# Altium PCB 2019.07.15.master.PcbDoc (part 5 of 7) (continued)
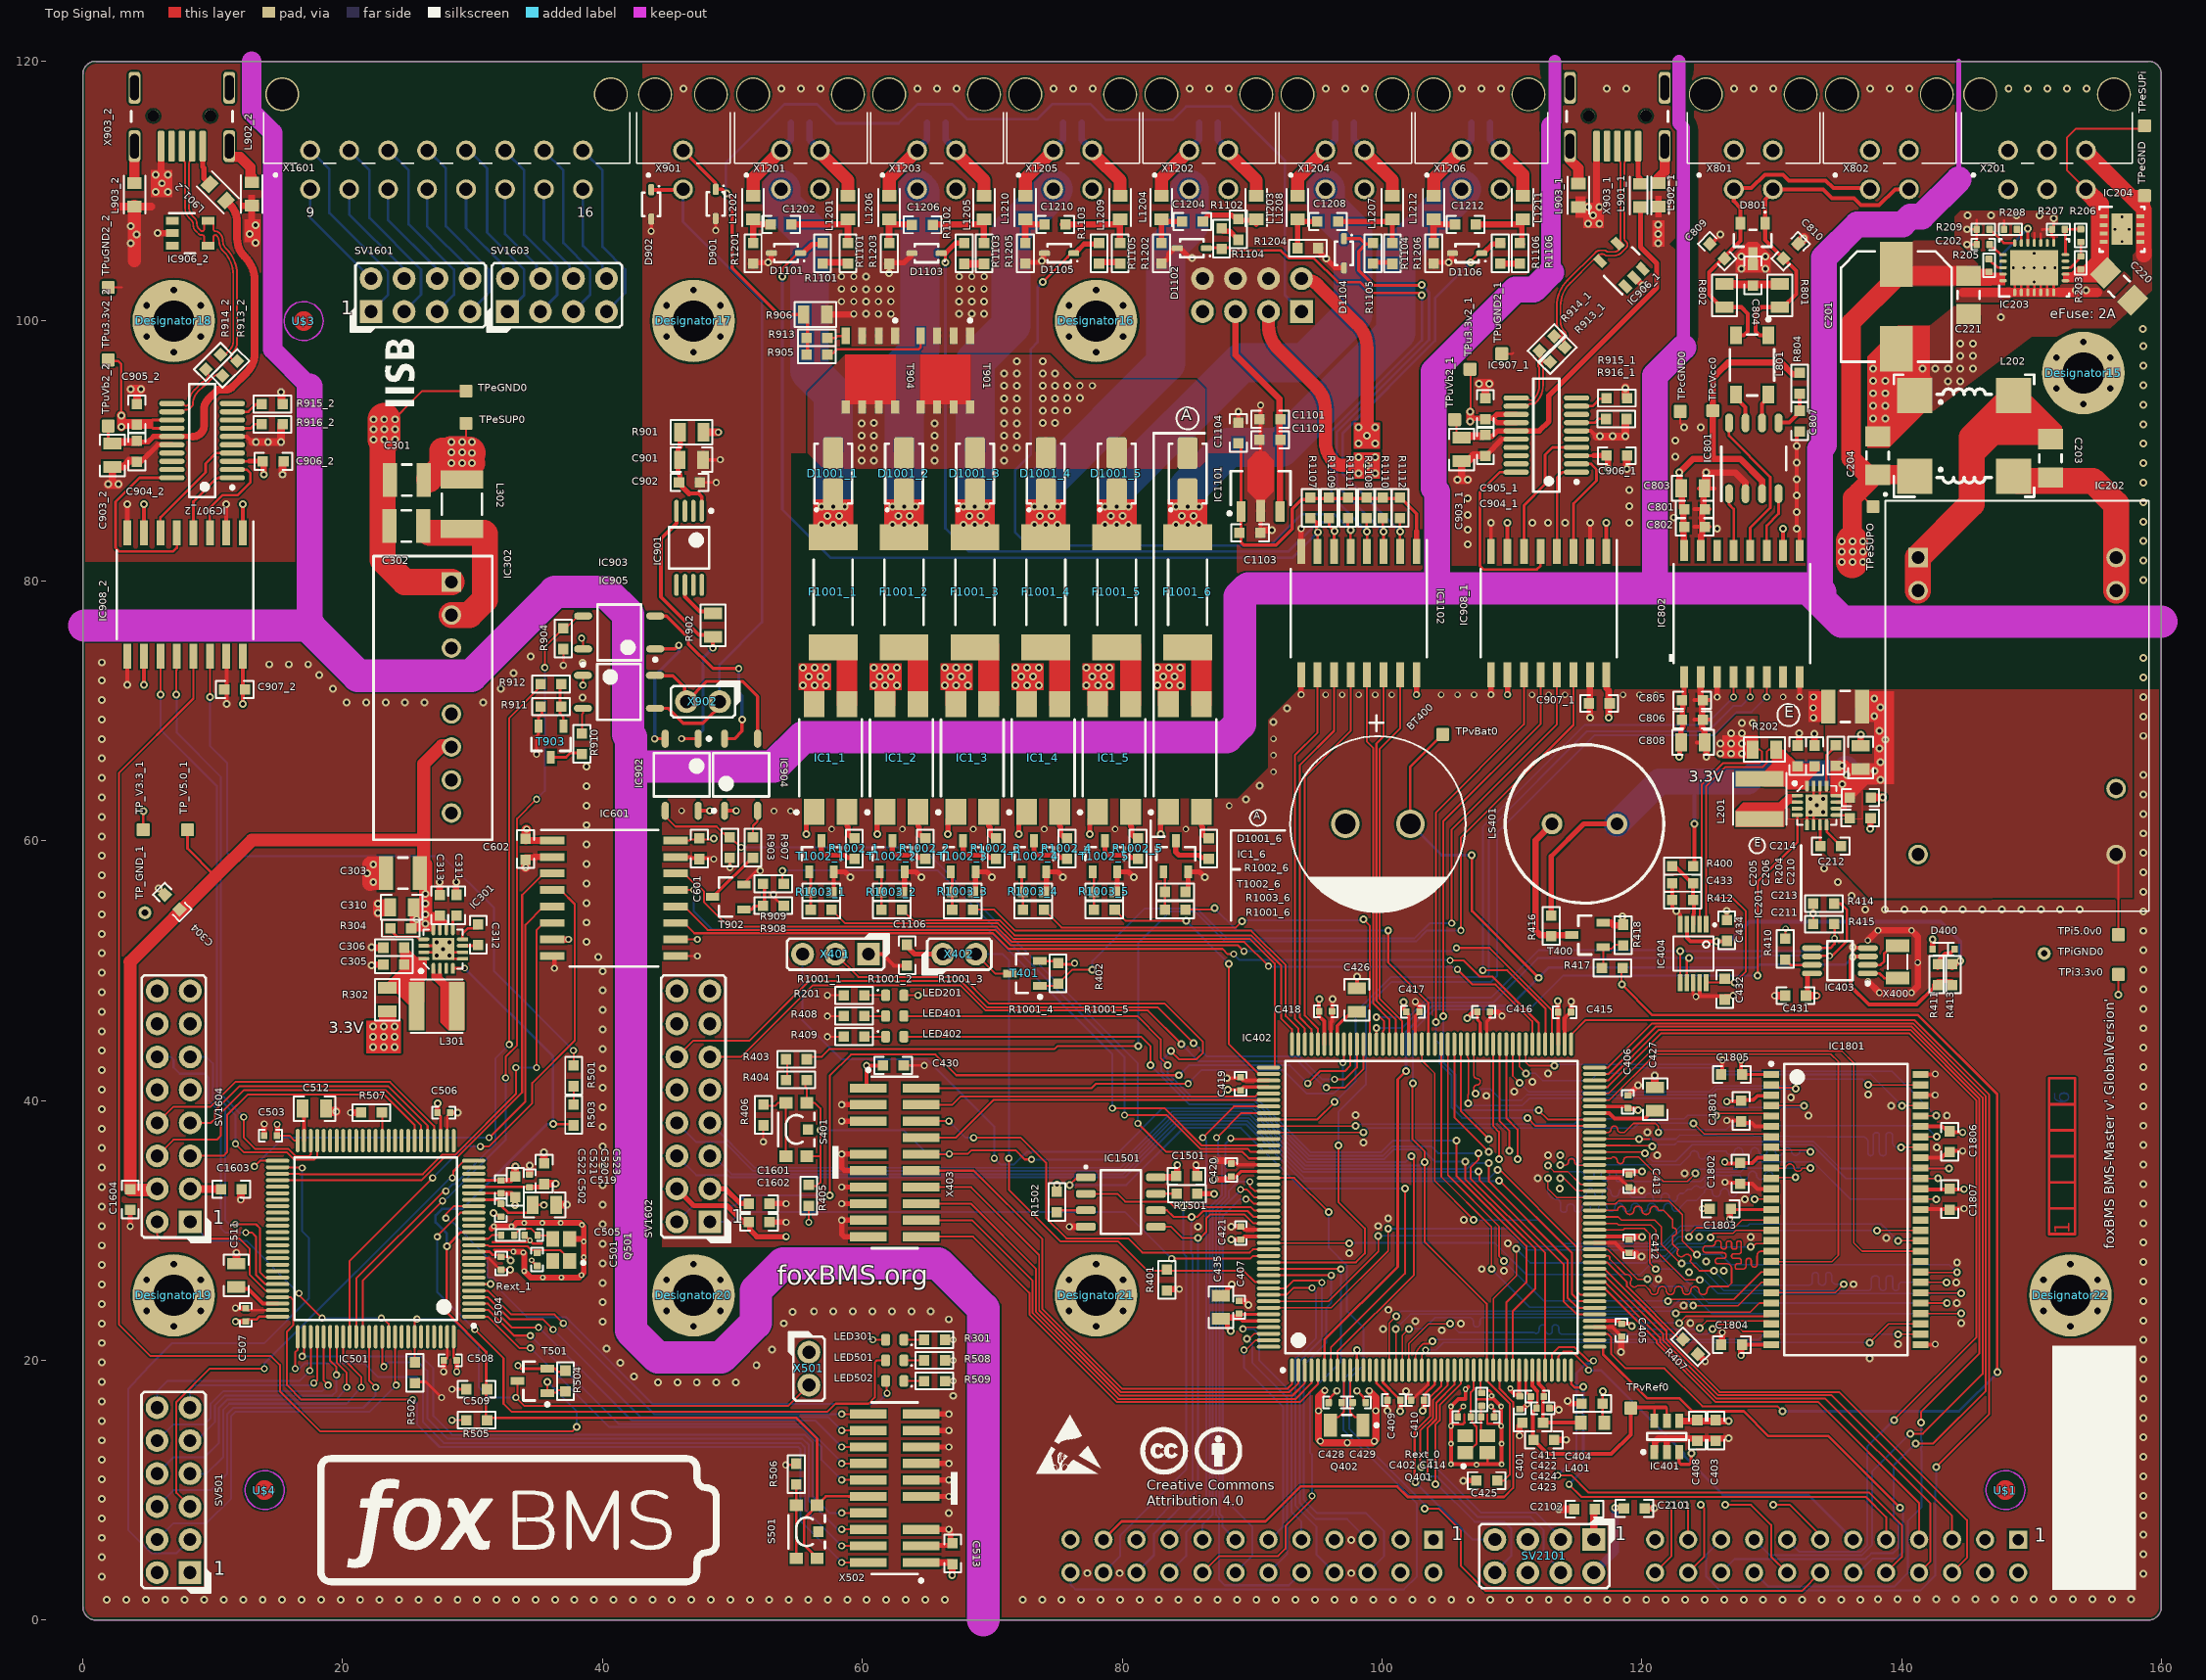
[diagram p0: Top Signal view]
## Nets (pads, with @x,y where several pads share a name; then routed paths per layer and width w, separated by ;. In a path a pad name is that pad's centre, name@x,y a point inside that pad or via, vN(x,y) a via of type N, cw(c..) or ccw(c..) an arc to the next point about the centre after c; other vN are vias at no path point) (continued)
MCU_1_SWDIO: IC501.72 X502.2 | length 62.6
  Top Signal w0.152: IC501.72@14.993,24.854 15.994,24.854 16.192,24.655 16.192,22.686 15.716,22.21 15.716,18.083 16.828,16.971 v2(25.4,16.971) ; v2(58.42,4.43) X502.2@60.465,4.43
  Bottom Signal w0.152: v2(25.4,16.971) 25.717,16.654 25.717,15.066 27.464,13.32 55.086,13.32 55.245,13.161 55.245,7.605 v2(58.42,4.43)
MCU_1_SWO: IC501.89 X502.6 | length 49.6
  Top Signal w0.152: v2@23.019,19.67 v2@23.043,19.646 ; IC501.89@23.043,21.604 v2@23.043,19.646 ; v2(23.177,19.511) v2@23.043,19.646 ; v2(58.42,6.97) X502.6@60.465,6.97
  Bottom Signal w0.152: v2(23.177,19.511) 23.495,19.829 25.876,19.829 26.511,19.194 26.511,15.543 28.099,13.955 55.404,13.955 55.88,13.479 55.88,9.193 58.102,6.97 v2(58.42,6.97)
MCU_1_TDI: IC501.77 X502.8 | length 54.7
  Top Signal w0.152: v2@17.042,20.408 16.94,20.305 v2(16.891,20.305) 16.891,20.369 17.042,20.52 IC501.77@17.042,21.604 ; v2(58.42,8.24) X502.8@60.465,8.24
  Bottom Signal w0.152: v2(16.891,20.305) 26.035,20.305 26.987,19.353 26.987,15.701 28.416,14.273 55.562,14.273 56.197,13.638 56.197,9.51 57.468,8.24 v2(58.42,8.24)
MCU_TO_FPGA_INTERFACE_MCU_0_CS: IC402.24 SV2101.7 | length 17.5
  Top Signal w0.152: v1(102.576,10.596) 102.516,10.656 102.516,14.502 103.69,15.675 103.69,17.141 104.573,18.024 IC402.24@104.573,19.234
  Bottom Signal w0.152: v1(102.576,10.596) 106.982,6.19 SV2101.7@108.69,6.19
MCU_TO_FPGA_INTERFACE_MCU_0_MISO: IC402.26 SV2101.4 | length 23.6
  Top Signal w0.152: v1(103.48,11.04) 103.522,11.082 103.522,14.795 104.194,15.466 104.194,16.743 105.573,18.122 IC402.26@105.573,19.234
  Bottom Signal w0.152: v1(103.48,11.04) 104.26,11.04 107.361,7.938 111.429,7.938 112.462,6.905 112.462,5.131 113.77,3.823 SV2101.4@113.77,3.65
MCU_TO_FPGA_INTERFACE_MCU_0_MOSI: IC402.27 SV2101.8 | length 20.8
  Top Signal w0.152: v1(104.104,10.447) 104.104,15.02 104.446,15.362 104.446,16.545 106.072,18.172 IC402.27@106.072,19.234
  Bottom Signal w0.152: v1(104.104,10.447) 104.264,10.447 107.15,7.561 109.421,7.561 109.959,7.024 109.959,4.919 SV2101.8@108.69,3.65
MCU_TO_FPGA_INTERFACE_MCU_0_SCK: IC402.25 SV2101.3 | length 21.5
  Top Signal w0.152: v1(103.019,11.778) 102.943,11.854 102.943,14.572 103.942,15.571 103.942,16.953 105.072,18.084 IC402.25@105.072,19.234
  Bottom Signal w0.152: v1(103.019,11.778) 104.11,11.778 107.633,8.255 111.862,8.255 113.77,6.347 SV2101.3@113.77,6.19
MCU_TO_MCU_INTERFACE_MCU_0_CS: IC402.92 IC601.12 | length 73.6
  Top Signal w0.152: IC601.12@45.628,54.932 46.278,54.932 48.088,53.122 70.24,53.122 71.415,51.948 88.914,51.948 v2(89.376,51.486) ; v2(105.74,51.74) 108.285,51.74 113.073,46.952 IC402.92@113.073,44.334
  Bottom Signal w0.152: v2(89.376,51.486) 105.379,51.486 105.633,51.74 v2(105.74,51.74)
MCU_TO_MCU_INTERFACE_MCU_0_MISO: IC402.94 IC601.11 | length 71.3
  Top Signal w0.152: IC601.11@45.628,53.662 46.278,53.662 47.07,52.87 70.051,52.87 71.257,51.664 87.732,51.664 88.134,51.261 v2(88.588,51.261) ; v2(105.247,50.775) 106.304,50.775 107.545,49.534 108.494,49.534 112.073,45.956 IC402.94@112.073,44.334
  Bottom Signal w0.152: v2(88.588,51.261) 89.035,50.814 105.208,50.814 v2(105.247,50.775)
MCU_TO_MCU_INTERFACE_MCU_0_MOSI: IC402.95 IC601.14 | length 72.9
  Top Signal w0.152: IC601.14@45.628,57.472 46.278,57.472 47.07,56.68 47.224,56.68 47.803,56.101 47.803,55.289 49.717,53.375 70.345,53.375 71.519,52.2 89.408,52.2 91.239,50.369 v2@91.306,50.369 ; v2(105.816,50.089) 106.98,48.925 108.747,48.925 111.572,46.099 IC402.95@111.572,44.334
  Bottom Signal w0.152: v2(91.273,50.336) 91.312,50.296 105.501,50.296 105.709,50.089 v2(105.816,50.089)
MCU_TO_MCU_INTERFACE_MCU_0_SCK: IC402.145 IC601.13 | length 57.2
  Top Signal w0.152: IC601.13@45.406,56.202 IC601.13@45.628,56.202 v2(47.026,56.202) ; v2(79.264,39.402) 83.257,39.402 86.125,36.534 IC402.145@91.072,36.534
  Bottom Signal w0.152: v2(47.026,56.202) 47.026,54.559 48.419,53.166 69.64,53.166 79.264,43.542 v2(79.264,39.402)
MCU_TO_MCU_INTERFACE_MCU_1_CS: IC501.51 IC601.5 | length 41.1
  Top Signal w0.152: v2(13.208,34.925) 13.637,35.354 IC501.51@14.993,35.354 ; v2(31.274,37.133) 34.068,39.927 34.068,53.521 35.478,54.932 IC601.5@36.128,54.932
  Bottom Signal w0.152: v2(13.208,34.925) 15.416,37.133 v2(31.274,37.133)
MCU_TO_MCU_INTERFACE_MCU_1_MISO: IC501.53 IC601.6 | length 36.6
  Top Signal w0.152: IC501.53@14.993,34.354 16.659,34.354 16.693,34.32 26.175,34.32 27.682,35.828 28.678,35.828 33.337,40.487 v2(33.337,42.53) ; v2(34.925,42.53) 34.925,53.108 35.478,53.662 IC601.6@36.128,53.662
  Bottom Signal w0.152: v2(33.337,42.53) v2(34.925,42.53)
MCU_TO_MCU_INTERFACE_MCU_1_MOSI: IC501.54 IC601.3 | length 40
  Top Signal w0.152: IC501.54@14.793,33.854 26.066,33.854 27.787,35.575 28.782,35.575 33.816,40.609 33.816,55.809 35.478,57.472 IC601.3@36.128,57.472
MCU_TO_MCU_INTERFACE_MCU_1_SCK: IC501.84 IC601.4 | length 43.6
  Top Signal w0.152: IC501.84@20.543,21.804 20.543,27.655 v2(26.924,34.036) ; v2(30.607,36.449) 31.267,36.449 34.605,39.787 34.605,41.352 37.867,44.614 37.867,55.113 36.778,56.202 IC601.4@36.351,56.202
  Bottom Signal w0.152: v2(26.924,34.036) 29.337,36.449 v2(30.607,36.449)
Memory_SUPPLY_CONTROL: IC402.33 JP2201.21 | length 43.3
  Top Signal w0.152: IC402.33@109.072,19.234 109.072,17.801 110.095,16.778 110.095,10.17 109.399,9.474
  Top Signal w0.2: JP2201.21@78.57,6.19 79.975,7.595 91.045,7.595 93.733,10.283 101.181,10.283 101.989,9.474 109.399,9.474
NetC202_1: C202.1 IC203.20 | length 1.4
  Top Signal w0.2: C202.1@146.779,105.893 147.058,105.614 147.13,105.614 147.634,105.11 IC203.20@147.814,105.11
NetC203_1: C203.1 IC202.2 IC202.3 L202.3 | length 18
  Top Signal w2: IC202.3@141.275,79.248 IC202.2@141.275,81.788 ; IC202.2@141.275,81.813 145.39,85.928 145.39,91.038 146.517,92.166 L202.3@148.622,94.271
NetC203_2: C203.2 IC202.22 IC202.23 L202.2 | length 15.4
  Top Signal w2: L202.2@148.622,88.051 148.972,87.701 152.036,87.701 154.717,87.701 156.515,85.903 IC202.23@156.515,81.813 ; IC202.22@156.515,79.248 IC202.23@156.515,81.788
NetC211_1: C211.1 IC201.9 | length 1
  Top Signal w0.2: IC201.9@134.946,61.963 C211.1@135.977,61.963
NetC212_1: C212.1 IC201.7 | length 1.5
  Top Signal w0.2: IC201.7@133.721,61.088 133.744,61.065 C212.1@133.744,59.573
NetC212_2: C212.2 IC201.8 | length 2
  Top Signal w0.2: IC201.8@134.221,61.088 134.245,61.064 134.245,60.672 C212.2@135.344,59.573
NetC302_2: C302.2 IC302.2 L302.2 | length 12.4
  Top Signal w2: C302.2@26.695,83.693 30.861,83.693 30.937,83.617 30.937,78.542 29.766,77.37 IC302.2@28.375,77.37
NetC311_1: C311.1 IC301.9 | length 1.1
  Top Signal w0.2: IC301.9@28.485,53.131 IC301.9@28.485,53.281 C311.1@28.485,54.256
NetC312_1: C312.1 IC301.7 | length 1.6
  Top Signal w0.2: IC301.7@29.21,51.906 IC301.7@29.36,51.906 30.435,51.906 C312.1@30.435,52.256
NetC312_2: C312.2 IC301.8 | length 1.8
  Top Signal w0.2: IC301.8@29.21,52.406 29.21,52.831 29.635,53.256 C312.2@30.435,53.256
NetC414_1: C414.1 Q401.3 Rext_0.2 | length 2.6
  Top Signal w0.152: Rext_0.2@107.681,16.48 107.638,16.437 C414.1@107.638,15.634 107.638,14.593 108.038,14.193 Q401.3@108.124,14.193
NetC426_1: C426.1 IC402.125 | length 3.4
  Top Signal w0.25: IC402.125@96.572,44.334 96.572,45.741 97.57,46.739 C426.1@98.171,46.739
NetC427_1: C427.1 IC402.81 | length 4.7
  Top Signal w0.3: IC402.81@116.573,39.034 117.498,39.034 117.92,38.611 120.259,38.611 C427.1@120.847,39.198
NetC505_1: C505.1 Q501.3 Rext_1.2 | length 3.4
  Top Signal w0.152: Rext_1.2@33.201,29.628 33.201,29.653 33.351,29.803 33.376,29.803 33.693,30.12 34.523,30.12 C505.1@35.015,29.628 35.027,29.616 Q501.3@36.16,29.616
NetC511_1: C511.1 IC501.73 | length 3.4
  Top Signal w0.305: C511.1@12.065,25.508 12.719,25.508 13.873,24.354 IC501.73@14.993,24.354
NetC512_1: C512.1 IC501.49 | length 2.3
  Top Signal w0.152: C512.1@16.925,39.18 C512.1@17.042,39.063
  Top Signal w0.3: IC501.49@17.042,36.904 C512.1@17.042,39.063
NetC901_1: C901.1 C902.1 IC901.1 R901.1 | length 7.1
  Top Signal w0.3: 46.66,86.716 47.396,86.716 47.648,86.464 IC901.1@47.648,85.385
  Top Signal w0.4: R901.1@45.992,91.228 45.992,90.316 45.825,90.15 45.825,89.323 45.825,88.295 45.967,88.153 45.967,87.577 45.967,87.409 46.66,86.716
NetC1201_1: C1201.1 L1201.1 X1201.2 | length 10.2
  Top Signal w0.5: X1201.2@56.745,113.14 56.941,112.944 56.941,112.463 58.895,110.509 58.895,110.309
  Top Signal w1: X1201.2@56.745,113.14 56.745,112.998 57.007,112.736 57.007,112.728 58.896,110.839 L1201.1@58.896,110.037
  Bottom Signal w0.5: C1201.1@55.945,115.265 55.945,113.945 56.745,113.145 X1201.2@56.745,113.14
NetC1201_2: C1201.2 L1202.1 X1201.1 | length 10.1
  Top Signal w0.5: 51.595,110.332 51.595,110.99 X1201.1@53.745,113.14
  Top Signal w1: L1202.1@51.595,110.037 51.595,110.99 X1201.1@53.745,113.14
  Bottom Signal w0.5: X1201.1@53.745,113.14 53.745,113.195 54.495,113.945 C1201.2@54.495,115.265
NetC1202_1: C1202.1 L1202.2 R1201.1 | length 3.1
  Top Signal w0.5: R1201.1@51.595,105.918 51.595,107.437 C1202.1@53.02,107.437 ; L1202.2@51.595,107.532 L1202.2@51.595,107.732
NetC1202_2: C1202.2 L1201.2 R1101.2@58.895,106.018 | length 5.9
  Top Signal w0.5: C1202.2@54.47,107.437 58.895,107.437 R1101.2@58.895,105.918
NetC1203_1: C1203.1 L1203.1 X1202.2 | length 6.5
  Top Signal w1: X1202.2@88.177,113.14 88.177,112.998 88.439,112.736 88.439,112.728 90.328,110.839 L1203.1@90.328,110.037
  Bottom Signal w0.5: C1203.1@87.377,115.265 87.377,113.945 88.177,113.145 X1202.2@88.177,113.14
NetC1203_2: C1203.2 L1204.1 X1202.1 | length 6.4
  Top Signal w1: L1204.1@83.027,110.037 83.027,110.99 X1202.1@85.178,113.14
  Bottom Signal w0.5: X1202.1@85.178,113.14 85.178,113.195 85.927,113.945 C1203.2@85.927,115.265
NetC1204_1: C1204.1 L1204.2 R1202.1 | length 3.3
  Top Signal w0.4: R1202.1@83.027,105.918 83.027,106.37 83.027,107.437 83.26,107.671 C1204.1@84.695,107.671
NetC1204_2: C1204.2 L1203.2 R1102.2@88.951,107.847 | length 4.7
  Top Signal w0.4: C1204.2@86.145,107.671 86.628,108.153 88.445,108.153 88.851,107.747 88.951,107.747 88.968,107.764 90.028,107.764 90.328,107.464 L1203.2@90.328,107.437
NetC1205_1: C1205.1 L1205.1 X1203.2 | length 6.5
  Top Signal w1: X1203.2@67.222,113.14 67.222,112.998 67.484,112.736 67.484,112.728 69.373,110.839 L1205.1@69.373,110.037
  Bottom Signal w0.5: C1205.1@66.422,115.265 66.422,113.945 67.222,113.145 X1203.2@67.222,113.14
NetC1205_2: C1205.2 L1206.1 X1203.1 | length 6.4
  Top Signal w1: L1206.1@62.072,110.037 62.072,110.99 X1203.1@64.223,113.14
  Bottom Signal w0.5: X1203.1@64.223,113.14 64.223,113.195 64.972,113.945 C1205.2@64.972,115.265
NetC1206_1: C1206.1 L1206.2 R1203.1 | length 3.6
  Top Signal w0.5: R1203.1@62.061,105.918 62.061,107.437 62.072,107.437 C1206.1@63.904,107.437 ; L1206.2@62.061,107.532 L1206.2@62.061,107.732
NetC1206_2: C1206.2 L1205.2 R1103.2@69.373,106.007 | length 5.5
  Top Signal w0.5: C1206.2@65.38,107.437 69.361,107.437 R1103.2@69.361,105.918
NetC1207_1: C1207.1 L1207.1 X1204.2 | length 6.5
  Top Signal w1: X1204.2@98.655,113.14 98.655,112.998 98.917,112.736 98.917,112.728 100.806,110.839 L1207.1@100.806,110.037
  Bottom Signal w0.5: C1207.1@97.855,115.265 97.855,113.945 98.655,113.145 X1204.2@98.655,113.14
NetC1207_2: C1207.2 L1208.1 X1204.1 | length 6.4
  Top Signal w1: L1208.1@93.505,110.037 93.505,110.99 X1204.1@95.655,113.14
  Bottom Signal w0.5: X1204.1@95.655,113.14 95.655,113.195 96.405,113.945 C1207.2@96.405,115.265
NetC1208_1: C1208.1 L1208.2 R1204.1 | length 3.6
  Top Signal w0.4: R1204.1@93.598,105.613 93.505,105.706 93.505,107.437 93.738,107.671 C1208.1@95.104,107.671
NetC1208_2: C1208.2 L1207.2 R1104.1@100.805,106.007 | length 5.9
  Top Signal w0.4: C1208.2@96.554,107.671 100.572,107.671 100.805,107.437 R1104.1@100.805,105.907
NetC1209_1: C1209.1 L1209.1 X1205.2 | length 6.5
  Top Signal w1: X1205.2@77.7,113.14 77.7,112.998 77.962,112.736 77.962,112.728 79.851,110.839 L1209.1@79.851,110.037
  Bottom Signal w0.5: C1209.1@76.9,115.265 76.9,113.945 77.7,113.145 X1205.2@77.7,113.14
NetC1209_2: C1209.2 L1210.1 X1205.1 | length 6.4
  Top Signal w1: L1210.1@72.55,110.037 72.55,110.99 X1205.1@74.7,113.14
  Bottom Signal w0.5: X1205.1@74.7,113.14 74.7,113.195 75.45,113.945 C1209.2@75.45,115.265
NetC1210_1: C1210.1 L1210.2 R1205.1 | length 3.1
  Top Signal w0.5: R1205.1@72.539,105.929 72.539,107.449 C1210.1@73.964,107.449 ; L1210.2@72.539,107.544 L1210.2@72.539,107.744
NetC1210_2: C1210.2 L1209.2 R1105.1@79.85,106.018 | length 5.9
  Top Signal w0.5: C1210.2@75.414,107.449 79.839,107.449 R1105.1@79.839,105.929
NetC1211_1: C1211.1 L1211.1 X1206.2 | length 6.3
  Top Signal w1: X1206.2@109.132,113.14 109.132,112.998 109.394,112.736 109.394,112.728 110.836,111.286 L1211.1@110.836,110.037
  Bottom Signal w0.5: C1211.1@108.332,115.265 108.332,113.945 109.132,113.145 X1206.2@109.132,113.14
NetC1211_2: C1211.2 L1212.1 X1206.1 | length 6.4
  Top Signal w1: L1212.1@103.982,110.037 103.982,110.99 X1206.1@106.133,113.14
  Bottom Signal w0.5: X1206.1@106.133,113.14 106.133,113.195 106.882,113.945 C1211.2@106.882,115.265
NetC1212_1: C1212.1 L1212.2 R1206.1 | length 3.3
  Top Signal w0.5: R1206.1@103.971,105.929 103.971,107.449 C1212.1@105.565,107.449 ; L1212.2@103.971,107.544 L1212.2@103.971,107.744
NetC1212_2: C1212.2 L1211.2 R1106.1@110.633,106.018 | length 5.2
  Top Signal w0.4: L1211.2@110.77,107.437 110.77,106.045 110.709,106.045 R1106.1@110.836,105.918
  Top Signal w0.5: C1212.2@107.151,107.449 110.709,107.449 L1211.2@110.72,107.437
NetD400_2: D400.2 R411.1 | length 2.2
  Top Signal w0.3: R411.1@142.792,50.185 142.792,50.73 143.358,51.296 143.736,51.296 D400.2@144.088,51.647
NetD902_1: D902.1 IC905.3 X901.2 X902.1 | length 52.3
  Top Signal w0.254: IC905.3@44.047,70.182 45.08,70.182 46.225,69.037 47.74,69.037 X902.1@49.403,70.7
  Top Signal w0.3: D902.1@43.754,110.109 46.169,110.109 X901.2@46.2,110.14
  Inner Signal w0.6: X901.2@46.198,110.143 X901.2@46.2,110.145
  Bottom Signal w0.2: X901.2@46.2,110.14 46.2,107.663 52.273,101.59 52.273,76.808 49.01,73.545 X902.1@49.01,70.7
NetF1001_1_1: F1001_1.1 IC1_1.3 | length 4.5
  Top Signal w1.6: IC1_1.3@58.826,70.52 F1001_1.1@58.826,75.016
NetF1001_2_1: F1001_2.1 IC1_2.3 | length 4.5
  Top Signal w1.6: IC1_2.3@64.283,70.52 F1001_2.1@64.283,75.016
NetF1001_3_1: F1001_3.1 IC1_3.3 | length 4.5
  Top Signal w1.6: IC1_3.3@69.739,70.52 F1001_3.1@69.739,75.016
NetF1001_4_1: F1001_4.1 IC1_4.3 | length 4.5
  Top Signal w1.6: IC1_4.3@75.195,70.52 F1001_4.1@75.195,75.016
NetF1001_5_1: F1001_5.1 IC1_5.3 | length 4.5
  Top Signal w1.6: IC1_5.3@80.651,70.52 F1001_5.1@80.651,75.016
NetF1001_6_1: F1001_6.1 IC1_6.3 | length 4.5
  Top Signal w1.6: IC1_6.3@86.107,70.52 F1001_6.1@86.107,75.016
NetIC1_1_2: IC1_1.2 R1002_1.2 | length 2.4
  Top Signal w0.4: IC1_1.2@58.826,62.22 58.826,61.119 58.922,61.023 58.922,60.456 59.293,60.085 R1002_1.2@59.393,60.085
NetIC1_2_2: IC1_2.2 R1002_2.2 | length 2.4
  Top Signal w0.4: IC1_2.2@64.283,62.22 64.283,61.119 64.378,61.023 64.378,60.456 64.749,60.085 R1002_2.2@64.849,60.085
NetIC1_3_2: IC1_3.2 R1002_3.2 | length 2.4
  Top Signal w0.4: IC1_3.2@69.739,62.22 69.739,61.119 69.834,61.023 69.834,60.456 70.205,60.085 R1002_3.2@70.305,60.085
NetIC1_4_2: IC1_4.2 R1002_4.2 | length 2.4
  Top Signal w0.4: IC1_4.2@75.195,62.22 75.195,61.119 75.291,61.023 75.291,60.456 75.661,60.085 R1002_4.2@75.761,60.085
NetIC1_5_2: IC1_5.2 R1002_5.2 | length 2.4
  Top Signal w0.4: IC1_5.2@80.651,62.22 80.651,61.119 80.747,61.023 80.747,60.456 81.117,60.085 R1002_5.2@81.217,60.085
NetIC1_6_2: IC1_6.2 R1002_6.2 | length 2.4
  Top Signal w0.4: IC1_6.2@86.107,62.22 86.107,61.119 86.203,61.023 86.203,60.456 86.573,60.085 R1002_6.2@86.673,60.085
NetIC201_1: IC201.1 IC201.2 L201.1 | length 1.2
  Top Signal w0.25: 131.221,62.963 IC201.2@131.846,62.963 ; 131.306,63.463 IC201.1@131.846,63.463
NetIC203_10: IC203.10 R203.1 R206.2 | length 2.7
  Top Signal w0.2: IC203.10@152.614,104.11 153.016,104.11 153.273,104.367 153.273,104.38 153.622,104.729 153.622,104.834 153.772,104.984 R203.1@153.797,104.984 153.797,105.727 R206.2@153.797,106.078
NetIC203_12: IC203.12 R206.1 R207.2 | length 3.2
  Top Signal w0.2: IC203.12@152.614,105.11 152.614,106.64 152.57,106.684 R207.2@152.57,107.061 153.403,107.061 153.42,107.078 R206.1@153.797,107.078
NetIC203_18: IC203.18 R208.2 | length 1.2
  Top Signal w0.2: R208.2@148.884,107.061 148.884,107.036 149.034,106.886 149.214,106.706 IC203.18@149.214,106.01
NetIC203_19: IC203.19 R209.2 | length 2.5
  Top Signal w0.2: R209.2@146.779,107.061 R209.2@146.81,107.061 ; R209.2@146.914,107.061 R209.2@146.81,107.061 ; IC203.19@148.714,106.01 147.861,106.01 R209.2@146.81,107.061
NetIC203_22: IC203.22 R205.1 | length 1.4
  Top Signal w0.2: R205.1@146.728,104.781 146.753,104.781 146.903,104.631 146.903,104.546 147.02,104.429 147.093,104.429 147.413,104.11 IC203.22@147.814,104.11
NetIC301_1: IC301.1 IC301.2 L301.1 | length 1
  Top Signal w0.15: 26.985,49.572 26.995,49.562
  Top Signal w0.275: 26.985,49.572 IC301.1@26.985,50.031 ; 27.467,49.481 27.485,49.498 IC301.2@27.485,50.031
NetIC402_58: IC402.58 R407.2 | length 9.8
  Top Signal w0.15: IC402.58@116.372,27.534 117.324,27.534 118.86,25.998 118.86,25.688 123.252,21.297 R407.2@123.252,21.17
NetIC403_1: IC403.1 X400.2 | length 2.4
  Top Signal w0.2: IC403.1@137.401,49.779 138.298,49.779 138.665,49.413 X400.2@139.692,49.413
NetIC403_2: IC403.2 X400.1 | length 3.3
  Top Signal w0.2: IC403.2@137.401,50.429 138.385,50.429 138.667,50.711 138.667,51.311 139.268,51.913 X400.1@139.692,51.913
NetIC501_37: IC501.37 R507.2 | length 1.8
  Top Signal w0.152: IC501.37@23.043,36.904 R507.2@23.043,38.72
NetIC901_4: IC901.4 IC902.1 R902.1 | length 23.4
  Top Signal w0.254: v2(46.094,67.848) IC902.1@47.371,67.848
  Top Signal w0.3: IC901.4@45.698,85.385 45.698,84.433 44.507,83.243 44.507,78.759 47.422,75.844 48.509,75.844 R902.1@48.509,75.781 ; v2(48.509,74.83) R902.1@48.509,75.585 ; R902.1@48.578,75.585 R902.1@48.509,75.585 ; R902.1@48.609,75.881 R902.1@48.509,75.781 ; R902.1@48.509,75.585 R902.1@48.509,75.681 R902.1@48.509,75.781
  Bottom Signal w0.254: v2(46.094,67.848) 47.065,67.848 47.74,68.523 47.74,74.061 v2(48.509,74.83)
NetIC901_6: IC901.6 R902.2 | length 3.6
  Top Signal w0.3: IC901.6@46.348,79.685 46.348,78.773 47.473,77.648 R902.2@48.578,77.648
NetIC902_2: IC902.2 IC903.1 | length 11.1
  Top Signal w0.254: v2(44.023,67.838) 44.032,67.848 IC902.2@44.831,67.848 ; IC903.1@44.061,74.758 45.588,74.758 ; 45.588,74.758 45.598,74.758 v2(45.876,75.036) 45.866,75.036 45.588,74.758
  Bottom Signal w0.254: v2@44.027,67.843 44.028,72.702 45.876,74.55 v2(45.876,75.036)
NetIC903_2: IC903.2 IC904.4 | length 14.9
  Top Signal w0.254: IC903.2@44.061,77.298 44.927,77.298 45.511,76.714 46.609,75.616 46.609,75.154 48.509,73.254 v2(50.495,73.254) ; IC904.4@49.403,67.848 50.165,67.848 50.749,68.432 v1(50.749,69.317)
  Bottom Signal w0.254: v2(50.495,73.254) 50.495,71.399 50.749,71.145 v1(50.749,69.317)
NetIC904_2: IC904.2 R907.2 | length 2.8
  Top Signal w0.152: R907.2@51.587,60.161 51.587,61.14 51.928,61.481 51.928,62.282 IC904.2@51.943,62.298 IC904.2@51.943,61.785
NetIC904_3: IC904.3 IC905.4 X902.2 | length 14.1
  Top Signal w0.254: IC905.4@44.047,72.722 44.48,72.722 44.507,72.695 45.415,72.695 46.34,71.77 X902.2@46.34,70.177 ; X902.2@46.47,70.7 48.033,72.263 50.775,72.263 51.943,71.095 IC904.3@51.943,67.848
NetIC905_2: IC905.2 R910.2 | length 2.1
  Top Signal w0.152: R910.2@38.417,68.154 38.417,69.726 38.497,69.806 IC905.2@38.497,70.182
NetIC907_1_7: IC907_1.7 R916_1.1 | length 2.5
  Top Signal w0.2: IC907_1.7@114.983,92.177 116.403,92.177 116.708,92.481 R916_1.1@117.355,92.481
NetIC907_1_9: IC907_1.9 R915_1.1 | length 2.6
  Top Signal w0.2: IC907_1.9@114.983,93.447 116.207,93.447 116.791,94.031 R915_1.1@117.355,94.031
NetIC907_2_7: IC907_2.7 R916_2.1 | length 2.5
  Top Signal w0.2: IC907_2.7@11.508,91.745 12.929,91.745 13.233,92.05 R916_2.1@13.88,92.05
NetIC907_2_9: IC907_2.9 R915_2.1 | length 2.6
  Top Signal w0.2: IC907_2.9@11.508,93.015 12.732,93.015 13.316,93.599 R915_2.1@13.88,93.599
NetIC1501_3: IC1501.3 R1502.1 | length 2.3
  Top Signal w0.2: R1502.1@74.981,31.482 75.041,31.542 IC1501.3@77.21,31.542
NetIC1501_7: IC1501.7 R1501.1 | length 1.6
  Top Signal w0.2: IC1501.7@82.65,32.812 R1501.1@84.29,32.812
NetL902_1_2: L902_1.2 X903_1.6 X903_1.7 | length 2.7
  Top Signal w0.8: L902_1.2@121.274,111.012 121.77,111.508 X903_1.6@121.77,113.464
NetL902_2_2: L902_2.2 X903_2.6 X903_2.7 | length 3.6
  Top Signal w0.8: X903_2.6@11.275,113.464 11.275,112.694 11.325,112.644 12.095,112.644 12.905,111.834 12.905,111.179 L902_2.2@13.005,111.079
NetL903_1_2: L903_1.2 X903_1.8 X903_1.9 | length 2.8
  Top Signal w0.8: X903_1.8@114.47,113.464 114.47,112.412 115.12,111.762 L903_1.2@115.12,110.98
NetL903_2_2: L903_2.2 X903_2.8 X903_2.9 | length 2.4
  Top Signal w0.8: L903_2.2@3.975,111.028 X903_2.8@3.975,113.464
NetLED201_1: LED201.1 R201.2 | length 1.5
  Top Signal w0.152: R201.2@60.222,48.086 LED201.1@61.75,48.086
NetLED301_1: LED301.1 R301.1 | length 1.5
  Top Signal w0.152: LED301.1@63.25,21.575 R301.1@64.714,21.575
NetLED401_1: LED401.1 R408.2 | length 1.5
  Top Signal w0.152: R408.2@60.222,46.499 LED401.1@61.75,46.499
NetLED402_1: LED402.1 R409.2 | length 1.5
  Top Signal w0.152: R409.2@60.222,44.911 LED402.1@61.75,44.911
NetLED501_1: LED501.1 R508.2 | length 1.5
  Top Signal w0.152: LED501.1@63.25,19.988 R508.2@64.714,19.988
NetLED502_1: LED502.1 R509.2 | length 1.5
  Top Signal w0.152: LED502.1@63.25,18.4 R509.2@64.714,18.4
NetLS401_2: LS401.2 R416.1 T400.D | length 11.7
  Top Signal w0.5: LS401.2@113.096,61.29 111.825,60.019 111.825,53.086 112.18,52.73 113.031,52.73 T400.D@114.624,52.73
NetR403_1: R403.1 R404.2 | length 1.6
  Top Signal w0.152: R404.2@54.228,41.578 54.228,42.129 R403.1@54.227,43.165
NetR406_2: R406.2 S401.1 S401.2 | length 5.9
  Top Signal w0.152: R406.2@52.387,39.579 53.287,39.579 53.526,39.818 S401.1@54.127,39.818 S401.2@54.127,35.717
NetR417_1: R417.1 R418.2 T400.G | length 3.3
  Top Signal w0.15: T400.G@117.024,51.78 T400.G@117.029,51.776 ; R417.1@117.029,50.185 T400.G@117.029,51.776 ; R418.2@118.567,52.03 118.532,51.995 117.98,51.995 117.661,51.676 117.128,51.676 T400.G@117.029,51.776
NetR501_1: R501.1 R503.2 | length 1.3
  Top Signal w0.152: R503.2@37.782,39.729 R501.1@37.782,41.045
NetR506_2: R506.2 S501.1 S501.2 | length 5.8
  Top Signal w0.203: S501.2@54.921,4.745 S501.1@54.921,8.845 54.921,9.397 54.927,9.403 R506.2@54.927,10.54
NetR905_2: R905.2 T901.4 | length 8.6
  Top Signal w0.2: R905.2@57.007,97.402 57.141,97.536 57.76,97.536 58.039,97.815 64.338,97.815 64.491,97.968 T901.4@64.491,98.857
NetR907_1: R907.1 T902.D | length 4.4
  Top Signal w0.254: T902.D@48.349,55.662 T902.D@48.479,55.662 ; T902.D@48.707,55.662 48.707,55.881 R907.1@51.587,58.761
NetR908_1: R908.1 R909.1 T902.G | length 3.3
  Top Signal w0.254: T902.G@50.879,54.712 51.481,54.712 51.731,54.962 R908.1@52.408,54.962 ; R909.1@52.459,56.678 52.459,55.546 52.462,55.543 R908.1@52.462,54.991
NetR910_1: R910.1 T903.D | length 2.5
  Top Signal w0.203: T903.D@36.036,66.413 37.203,66.413 37.544,66.754 R910.1@38.417,66.754
NetR911_1: R911.1 R912.1 T903.G | length 3.3
  Top Signal w0.203: R912.1@36.736,72.058 36.736,70.311 36.736,69.76 36.986,69.51 T903.G@36.986,68.813
NetR913_2: R913.2 T904.4 | length 1.6
  Top Signal w0.2: R913.2@57.215,98.704 57.937,98.704 58.09,98.857 T904.4@58.725,98.857
NetR1001_1_1: R1001_1.1 R1003_1.2 T1002_1.G | length 3
  Top Signal w0.2: T1002_1.G@55.903,57.601 56.031,57.472 R1003_1.2@56.031,56.032 R1001_1.1@56.031,54.686
NetR1001_2_1: R1001_2.1 R1003_2.2 T1002_2.G | length 3.1
  Top Signal w0.2: T1002_2.G@61.259,57.501 T1002_2.G@61.359,57.601 61.465,57.495 R1003_2.2@61.465,56.032 R1001_2.1@61.465,54.686
NetR1001_3_1: R1001_3.1 R1003_3.2 T1002_3.G | length 3.1
  Top Signal w0.2: T1002_3.G@66.815,57.601 66.921,57.495 R1003_3.2@66.921,56.058 ; R1001_3.1@66.921,54.686 R1003_3.2@66.921,56.058 ; R1003_3.2@67.021,56.158 R1003_3.2@66.921,56.058
NetR1001_4_1: R1001_4.1 R1003_4.2 T1002_4.G | length 3
  Top Signal w0.2: T1002_4.G@72.271,57.601 72.271,56.164 R1003_4.2@72.377,56.058 R1001_4.1@72.377,54.686
NetR1001_5_1: R1001_5.1 R1003_5.2 T1002_5.G | length 3
  Top Signal w0.2: T1002_5.G@77.727,57.601 77.833,57.495 R1003_5.2@77.833,56.058 R1001_5.1@77.833,54.686
NetR1001_6_1: R1001_6.1 R1003_6.2 T1002_6.G | length 3
  Top Signal w0.2: T1002_6.G@83.183,57.601 83.289,57.495 R1003_6.2@83.289,56.058 R1001_6.1@83.289,54.686
NetR1002_1_1: R1002_1.1 T1002_1.D | length 3.6
  Top Signal w0.4: T1002_1.D@56.853,60.001 56.853,59.112 57.087,58.877 58.649,58.877 58.841,58.685 R1002_1.1@59.393,58.685
NetR1002_2_1: R1002_2.1 T1002_2.D | length 3.6
  Top Signal w0.4: T1002_2.D@62.309,60.001 62.309,59.112 62.543,58.877 64.105,58.877 64.297,58.685 R1002_2.1@64.849,58.685
NetR1002_3_1: R1002_3.1 T1002_3.D | length 3.6
  Top Signal w0.4: T1002_3.D@67.765,60.001 67.765,59.112 67.999,58.877 69.561,58.877 69.753,58.685 R1002_3.1@70.305,58.685
NetR1002_4_1: R1002_4.1 T1002_4.D | length 3.6
  Top Signal w0.4: T1002_4.D@73.221,60.001 73.221,59.112 73.455,58.877 75.017,58.877 75.21,58.685 R1002_4.1@75.761,58.685
NetR1002_5_1: R1002_5.1 T1002_5.D | length 3.6
  Top Signal w0.4: T1002_5.D@78.677,60.001 78.677,59.112 78.912,58.877 80.474,58.877 80.666,58.685 R1002_5.1@81.217,58.685
NetR1002_6_1: R1002_6.1 T1002_6.D | length 3.6
  Top Signal w0.4: T1002_6.D@84.133,60.001 84.133,59.112 84.368,58.877 85.93,58.877 86.122,58.685 R1002_6.1@86.673,58.685
NetSV1601_1: SV1601.1 X1601.1 | length 15.4
  Bottom Signal w0.203: X1601.1@17.51,113.142 18.974,111.678 18.974,108.329 23.495,103.808 23.495,102.035 SV1601.1@22.19,100.73
NetSV1601_2: SV1601.2 X1601.9 | length 8.8
  Bottom Signal w0.203: X1601.9@17.51,110.145 17.51,107.95 SV1601.2@22.19,103.27
NetSV1601_3: SV1601.3 X1601.2 | length 15.1
  Bottom Signal w0.203: X1601.2@20.637,113.015 22.066,111.586 22.066,107.935 26.035,103.966 26.035,102.035 SV1601.3@24.73,100.73
NetSV1601_4: SV1601.4 X1601.10 | length 8.6
  Bottom Signal w0.203: X1601.10@20.507,110.145 20.507,108.224 24.606,104.125 24.606,103.464 SV1601.4@24.73,103.27
NetSV1601_5: SV1601.5 X1601.3 | length 15.2
  Bottom Signal w0.152: X1601.3@23.5,113.06 23.5,113.111 X1601.3@23.529,113.14
  Bottom Signal w0.203: X1601.3@23.5,113.14 23.529,113.14 25.082,111.586 25.082,107.459 28.575,103.966 28.575,102.035 SV1601.5@27.27,100.73
NetSV1601_6: SV1601.6 X1601.11 | length 8.4
  Bottom Signal w0.203: X1601.11@23.5,110.14 23.5,107.771 27.146,104.125 27.146,103.394 SV1601.6@27.27,103.27
NetSV1601_7: SV1601.7 X1601.4 | length 15.1
  Bottom Signal w0.152: X1601.4@26.5,113.06 26.5,113.095 X1601.4@26.545,113.14
  Bottom Signal w0.203: X1601.4@26.5,113.14 26.545,113.14 27.94,111.745 27.94,107.3 31.274,103.966 31.274,102.22 31.115,102.061 31.115,102.035 SV1601.7@29.81,100.73
NetSV1601_8: SV1601.8 X1601.12 | length 8.2
  Bottom Signal w0.203: X1601.12@26.5,110.14 26.5,107.311 29.686,104.125 29.686,103.394 SV1601.8@29.81,103.27
NetSV1603_1: SV1603.1 X1601.5 | length 15
  Bottom Signal w0.152: X1601.5@29.5,113.06 X1601.5@29.5,113.14
  Bottom Signal w0.203: X1601.5@29.5,113.14 29.72,113.14 31.115,111.745 31.115,106.824 33.972,103.966 33.972,102.012 SV1603.1@32.69,100.73
NetSV1603_2: SV1603.2 X1601.13 | length 8.2
  Bottom Signal w0.203: X1601.13@29.5,110.14 29.5,107.169 32.385,104.284 32.385,103.575 SV1603.2@32.69,103.27
NetSV1603_3: SV1603.3 X1601.6 | length 14.7
  Bottom Signal w0.152: X1601.6@32.5,113.06 32.544,113.016 X1601.6@32.544,113.015
  Bottom Signal w0.203: X1601.6@32.5,113.14 32.5,113.06 32.5,113.059 32.544,113.015 33.972,111.586 33.972,106.665 36.512,104.125 36.512,102.012 SV1603.3@35.23,100.73
NetSV1603_4: SV1603.4 X1601.14 | length 8
  Bottom Signal w0.203: X1601.14@32.5,110.14 32.5,106.709 34.925,104.284 34.925,103.575 SV1603.4@35.23,103.27
NetSV1603_5: SV1603.5 X1601.7 | length 14.4
  Bottom Signal w0.152: X1601.7@35.5,113.06 X1601.7@35.5,113.075
  Bottom Signal w0.203: X1601.7@35.5,113.14 35.5,113.075 36.989,111.586 36.989,106.03 39.052,103.966 39.052,102.012 SV1603.5@37.77,100.73
NetSV1603_6: SV1603.6 X1601.15 | length 7.8
  Bottom Signal w0.203: X1601.15@35.5,110.14 35.5,106.249 37.465,104.284 37.465,103.575 SV1603.6@37.77,103.27
NetSV1603_7: SV1603.7 X1601.8 | length 14.4
  Bottom Signal w0.152: X1601.8@38.5,113.06 X1601.8@38.5,113.091
  Bottom Signal w0.203: X1601.8@38.5,113.14 38.5,113.091 40.005,111.586 40.005,105.713 41.751,103.966 41.751,102.171 SV1603.7@40.31,100.73
NetSV1603_8: SV1603.8 X1601.16 | length 7.6
  Bottom Signal w0.203: X1601.16@38.5,110.14 38.5,105.789 40.005,104.284 40.005,103.575 SV1603.8@40.31,103.27